# Allegro board LED_FIN.brd (continued)
## Nets (continued)
ROW_OUT_B37: D4561.3(ANODE) D4562.3(ANODE) D4563.3(ANODE) D4564.3(ANODE) D4565.3(ANODE) D4566.3(ANODE) D4567.3(ANODE) D4568.3(ANODE) D4569.3(ANODE) D4570.3(ANODE) D4571.3(ANODE) D4572.3(ANODE) D4573.3(ANODE) D4574.3(ANODE) D4575.3(ANODE) D4576.3(ANODE) D4577.3(ANODE) D4578.3(ANODE) D4579.3(ANODE) D4580.3(ANODE) D4581.3(ANODE) D4582.3(ANODE) D4583.3(ANODE) D4584.3(ANODE) D4585.3(ANODE) D4586.3(ANODE) D4587.3(ANODE) D4588.3(ANODE) D4589.3(ANODE) D4590.3(ANODE) D5701.3(ANODE) D5702.3(ANODE) D5703.3(ANODE) D5704.3(ANODE) D5705.3(ANODE) D5706.3(ANODE) D5707.3(ANODE) D5708.3(ANODE) D5709.3(ANODE) D5710.3(ANODE) D5711.3(ANODE) D5712.3(ANODE) D5713.3(ANODE) D5714.3(ANODE) D5715.3(ANODE) D5716.3(ANODE) D5717.3(ANODE) D5718.3(ANODE) D5719.3(ANODE) D5720.3(ANODE) D5721.3(ANODE) D5722.3(ANODE) D5723.3(ANODE) D5724.3(ANODE) D5725.3(ANODE) D5726.3(ANODE) D5727.3(ANODE) D5728.3(ANODE) D5729.3(ANODE) D5730.3(ANODE) D6841.3(ANODE) D6842.3(ANODE) D6843.3(ANODE) D6844.3(ANODE) D6845.3(ANODE) D6846.3(ANODE) D6847.3(ANODE) D6848.3(ANODE) D6849.3(ANODE) D6850.3(ANODE) D6851.3(ANODE) D6852.3(ANODE) D6853.3(ANODE) D6854.3(ANODE) D6855.3(ANODE) D6856.3(ANODE) D6857.3(ANODE) D6858.3(ANODE) D6859.3(ANODE) D6860.3(ANODE) D6861.3(ANODE) D6862.3(ANODE) D6863.3(ANODE) D6864.3(ANODE) D6865.3(ANODE) D6866.3(ANODE) D6867.3(ANODE) D6868.3(ANODE) D6869.3(ANODE) D6870.3(ANODE) D7981.3(ANODE) D7982.3(ANODE) D7983.3(ANODE) D7984.3(ANODE) D7985.3(ANODE) D7986.3(ANODE) D7987.3(ANODE) D7988.3(ANODE) D7989.3(ANODE) D7990.3(ANODE) D7991.3(ANODE) D7992.3(ANODE) D7993.3(ANODE) D7994.3(ANODE) D7995.3(ANODE) D7996.3(ANODE) D7997.3(ANODE) D7998.3(ANODE) D7999.3(ANODE) D8000.3(ANODE) D8001.3(ANODE) D8002.3(ANODE) D8003.3(ANODE) D8004.3(ANODE) D8005.3(ANODE) D8006.3(ANODE) D8007.3(ANODE) D8008.3(ANODE) D8009.3(ANODE) D8010.3(ANODE) U39.1(DRAIN)
ROW_OUT_C0: D10231.3(ANODE) D10232.3(ANODE) D10233.3(ANODE) D10234.3(ANODE) D10235.3(ANODE) D10236.3(ANODE) D10237.3(ANODE) D10238.3(ANODE) D10239.3(ANODE) D10240.3(ANODE) D10241.3(ANODE) D10242.3(ANODE) D10243.3(ANODE) D10244.3(ANODE) D10245.3(ANODE) D10246.3(ANODE) D10247.3(ANODE) D10248.3(ANODE) D10249.3(ANODE) D10250.3(ANODE) D10251.3(ANODE) D10252.3(ANODE) D10253.3(ANODE) D10254.3(ANODE) D10255.3(ANODE) D10256.3(ANODE) D10257.3(ANODE) D10258.3(ANODE) D10259.3(ANODE) D10260.3(ANODE) D11371.3(ANODE) D11372.3(ANODE) D11373.3(ANODE) D11374.3(ANODE) D11375.3(ANODE) D11376.3(ANODE) D11377.3(ANODE) D11378.3(ANODE) D11379.3(ANODE) D11380.3(ANODE) D11381.3(ANODE) D11382.3(ANODE) D11383.3(ANODE) D11384.3(ANODE) D11385.3(ANODE) D11386.3(ANODE) D11387.3(ANODE) D11388.3(ANODE) D11389.3(ANODE) D11390.3(ANODE) D11391.3(ANODE) D11392.3(ANODE) D11393.3(ANODE) D11394.3(ANODE) D11395.3(ANODE) D11396.3(ANODE) D11397.3(ANODE) D11398.3(ANODE) D11399.3(ANODE) D11400.3(ANODE) D12511.3(ANODE) D12512.3(ANODE) D12513.3(ANODE) D12514.3(ANODE) D12515.3(ANODE) D12516.3(ANODE) D12517.3(ANODE) D12518.3(ANODE) D12519.3(ANODE) D12520.3(ANODE) D12521.3(ANODE) D12522.3(ANODE) D12523.3(ANODE) D12524.3(ANODE) D12525.3(ANODE) D12526.3(ANODE) D12527.3(ANODE) D12528.3(ANODE) D12529.3(ANODE) D12530.3(ANODE) D12531.3(ANODE) D12532.3(ANODE) D12533.3(ANODE) D12534.3(ANODE) D12535.3(ANODE) D12536.3(ANODE) D12537.3(ANODE) D12538.3(ANODE) D12539.3(ANODE) D12540.3(ANODE) D13651.3(ANODE) D13652.3(ANODE) D13653.3(ANODE) D13654.3(ANODE) D13655.3(ANODE) D13656.3(ANODE) D13657.3(ANODE) D13658.3(ANODE) D13659.3(ANODE) D13660.3(ANODE) D13661.3(ANODE) D13662.3(ANODE) D13663.3(ANODE) D13664.3(ANODE) D13665.3(ANODE) D13666.3(ANODE) D13667.3(ANODE) D13668.3(ANODE) D13669.3(ANODE) D13670.3(ANODE) D13671.3(ANODE) D13672.3(ANODE) D13673.3(ANODE) D13674.3(ANODE) D13675.3(ANODE) D13676.3(ANODE) D13677.3(ANODE) D13678.3(ANODE) D13679.3(ANODE) D13680.3(ANODE) U86.1(DRAIN)
ROW_OUT_C1: D10201.3(ANODE) D10202.3(ANODE) D10203.3(ANODE) D10204.3(ANODE) D10205.3(ANODE) D10206.3(ANODE) D10207.3(ANODE) D10208.3(ANODE) D10209.3(ANODE) D10210.3(ANODE) D10211.3(ANODE) D10212.3(ANODE) D10213.3(ANODE) D10214.3(ANODE) D10215.3(ANODE) D10216.3(ANODE) D10217.3(ANODE) D10218.3(ANODE) D10219.3(ANODE) D10220.3(ANODE) D10221.3(ANODE) D10222.3(ANODE) D10223.3(ANODE) D10224.3(ANODE) D10225.3(ANODE) D10226.3(ANODE) D10227.3(ANODE) D10228.3(ANODE) D10229.3(ANODE) D10230.3(ANODE) D11341.3(ANODE) D11342.3(ANODE) D11343.3(ANODE) D11344.3(ANODE) D11345.3(ANODE) D11346.3(ANODE) D11347.3(ANODE) D11348.3(ANODE) D11349.3(ANODE) D11350.3(ANODE) D11351.3(ANODE) D11352.3(ANODE) D11353.3(ANODE) D11354.3(ANODE) D11355.3(ANODE) D11356.3(ANODE) D11357.3(ANODE) D11358.3(ANODE) D11359.3(ANODE) D11360.3(ANODE) D11361.3(ANODE) D11362.3(ANODE) D11363.3(ANODE) D11364.3(ANODE) D11365.3(ANODE) D11366.3(ANODE) D11367.3(ANODE) D11368.3(ANODE) D11369.3(ANODE) D11370.3(ANODE) D12481.3(ANODE) D12482.3(ANODE) D12483.3(ANODE) D12484.3(ANODE) D12485.3(ANODE) D12486.3(ANODE) D12487.3(ANODE) D12488.3(ANODE) D12489.3(ANODE) D12490.3(ANODE) D12491.3(ANODE) D12492.3(ANODE) D12493.3(ANODE) D12494.3(ANODE) D12495.3(ANODE) D12496.3(ANODE) D12497.3(ANODE) D12498.3(ANODE) D12499.3(ANODE) D12500.3(ANODE) D12501.3(ANODE) D12502.3(ANODE) D12503.3(ANODE) D12504.3(ANODE) D12505.3(ANODE) D12506.3(ANODE) D12507.3(ANODE) D12508.3(ANODE) D12509.3(ANODE) D12510.3(ANODE) D13621.3(ANODE) D13622.3(ANODE) D13623.3(ANODE) D13624.3(ANODE) D13625.3(ANODE) D13626.3(ANODE) D13627.3(ANODE) D13628.3(ANODE) D13629.3(ANODE) D13630.3(ANODE) D13631.3(ANODE) D13632.3(ANODE) D13633.3(ANODE) D13634.3(ANODE) D13635.3(ANODE) D13636.3(ANODE) D13637.3(ANODE) D13638.3(ANODE) D13639.3(ANODE) D13640.3(ANODE) D13641.3(ANODE) D13642.3(ANODE) D13643.3(ANODE) D13644.3(ANODE) D13645.3(ANODE) D13646.3(ANODE) D13647.3(ANODE) D13648.3(ANODE) D13649.3(ANODE) D13650.3(ANODE) U85.1(DRAIN)
ROW_OUT_C2: D10171.3(ANODE) D10172.3(ANODE) D10173.3(ANODE) D10174.3(ANODE) D10175.3(ANODE) D10176.3(ANODE) D10177.3(ANODE) D10178.3(ANODE) D10179.3(ANODE) D10180.3(ANODE) D10181.3(ANODE) D10182.3(ANODE) D10183.3(ANODE) D10184.3(ANODE) D10185.3(ANODE) D10186.3(ANODE) D10187.3(ANODE) D10188.3(ANODE) D10189.3(ANODE) D10190.3(ANODE) D10191.3(ANODE) D10192.3(ANODE) D10193.3(ANODE) D10194.3(ANODE) D10195.3(ANODE) D10196.3(ANODE) D10197.3(ANODE) D10198.3(ANODE) D10199.3(ANODE) D10200.3(ANODE) D11311.3(ANODE) D11312.3(ANODE) D11313.3(ANODE) D11314.3(ANODE) D11315.3(ANODE) D11316.3(ANODE) D11317.3(ANODE) D11318.3(ANODE) D11319.3(ANODE) D11320.3(ANODE) D11321.3(ANODE) D11322.3(ANODE) D11323.3(ANODE) D11324.3(ANODE) D11325.3(ANODE) D11326.3(ANODE) D11327.3(ANODE) D11328.3(ANODE) D11329.3(ANODE) D11330.3(ANODE) D11331.3(ANODE) D11332.3(ANODE) D11333.3(ANODE) D11334.3(ANODE) D11335.3(ANODE) D11336.3(ANODE) D11337.3(ANODE) D11338.3(ANODE) D11339.3(ANODE) D11340.3(ANODE) D12451.3(ANODE) D12452.3(ANODE) D12453.3(ANODE) D12454.3(ANODE) D12455.3(ANODE) D12456.3(ANODE) D12457.3(ANODE) D12458.3(ANODE) D12459.3(ANODE) D12460.3(ANODE) D12461.3(ANODE) D12462.3(ANODE) D12463.3(ANODE) D12464.3(ANODE) D12465.3(ANODE) D12466.3(ANODE) D12467.3(ANODE) D12468.3(ANODE) D12469.3(ANODE) D12470.3(ANODE) D12471.3(ANODE) D12472.3(ANODE) D12473.3(ANODE) D12474.3(ANODE) D12475.3(ANODE) D12476.3(ANODE) D12477.3(ANODE) D12478.3(ANODE) D12479.3(ANODE) D12480.3(ANODE) D13591.3(ANODE) D13592.3(ANODE) D13593.3(ANODE) D13594.3(ANODE) D13595.3(ANODE) D13596.3(ANODE) D13597.3(ANODE) D13598.3(ANODE) D13599.3(ANODE) D13600.3(ANODE) D13601.3(ANODE) D13602.3(ANODE) D13603.3(ANODE) D13604.3(ANODE) D13605.3(ANODE) D13606.3(ANODE) D13607.3(ANODE) D13608.3(ANODE) D13609.3(ANODE) D13610.3(ANODE) D13611.3(ANODE) D13612.3(ANODE) D13613.3(ANODE) D13614.3(ANODE) D13615.3(ANODE) D13616.3(ANODE) D13617.3(ANODE) D13618.3(ANODE) D13619.3(ANODE) D13620.3(ANODE) U84.1(DRAIN)
ROW_OUT_C3: D10141.3(ANODE) D10142.3(ANODE) D10143.3(ANODE) D10144.3(ANODE) D10145.3(ANODE) D10146.3(ANODE) D10147.3(ANODE) D10148.3(ANODE) D10149.3(ANODE) D10150.3(ANODE) D10151.3(ANODE) D10152.3(ANODE) D10153.3(ANODE) D10154.3(ANODE) D10155.3(ANODE) D10156.3(ANODE) D10157.3(ANODE) D10158.3(ANODE) D10159.3(ANODE) D10160.3(ANODE) D10161.3(ANODE) D10162.3(ANODE) D10163.3(ANODE) D10164.3(ANODE) D10165.3(ANODE) D10166.3(ANODE) D10167.3(ANODE) D10168.3(ANODE) D10169.3(ANODE) D10170.3(ANODE) D11281.3(ANODE) D11282.3(ANODE) D11283.3(ANODE) D11284.3(ANODE) D11285.3(ANODE) D11286.3(ANODE) D11287.3(ANODE) D11288.3(ANODE) D11289.3(ANODE) D11290.3(ANODE) D11291.3(ANODE) D11292.3(ANODE) D11293.3(ANODE) D11294.3(ANODE) D11295.3(ANODE) D11296.3(ANODE) D11297.3(ANODE) D11298.3(ANODE) D11299.3(ANODE) D11300.3(ANODE) D11301.3(ANODE) D11302.3(ANODE) D11303.3(ANODE) D11304.3(ANODE) D11305.3(ANODE) D11306.3(ANODE) D11307.3(ANODE) D11308.3(ANODE) D11309.3(ANODE) D11310.3(ANODE) D12421.3(ANODE) D12422.3(ANODE) D12423.3(ANODE) D12424.3(ANODE) D12425.3(ANODE) D12426.3(ANODE) D12427.3(ANODE) D12428.3(ANODE) D12429.3(ANODE) D12430.3(ANODE) D12431.3(ANODE) D12432.3(ANODE) D12433.3(ANODE) D12434.3(ANODE) D12435.3(ANODE) D12436.3(ANODE) D12437.3(ANODE) D12438.3(ANODE) D12439.3(ANODE) D12440.3(ANODE) D12441.3(ANODE) D12442.3(ANODE) D12443.3(ANODE) D12444.3(ANODE) D12445.3(ANODE) D12446.3(ANODE) D12447.3(ANODE) D12448.3(ANODE) D12449.3(ANODE) D12450.3(ANODE) D13561.3(ANODE) D13562.3(ANODE) D13563.3(ANODE) D13564.3(ANODE) D13565.3(ANODE) D13566.3(ANODE) D13567.3(ANODE) D13568.3(ANODE) D13569.3(ANODE) D13570.3(ANODE) D13571.3(ANODE) D13572.3(ANODE) D13573.3(ANODE) D13574.3(ANODE) D13575.3(ANODE) D13576.3(ANODE) D13577.3(ANODE) D13578.3(ANODE) D13579.3(ANODE) D13580.3(ANODE) D13581.3(ANODE) D13582.3(ANODE) D13583.3(ANODE) D13584.3(ANODE) D13585.3(ANODE) D13586.3(ANODE) D13587.3(ANODE) D13588.3(ANODE) D13589.3(ANODE) D13590.3(ANODE) U83.1(DRAIN)
ROW_OUT_C4: D10111.3(ANODE) D10112.3(ANODE) D10113.3(ANODE) D10114.3(ANODE) D10115.3(ANODE) D10116.3(ANODE) D10117.3(ANODE) D10118.3(ANODE) D10119.3(ANODE) D10120.3(ANODE) D10121.3(ANODE) D10122.3(ANODE) D10123.3(ANODE) D10124.3(ANODE) D10125.3(ANODE) D10126.3(ANODE) D10127.3(ANODE) D10128.3(ANODE) D10129.3(ANODE) D10130.3(ANODE) D10131.3(ANODE) D10132.3(ANODE) D10133.3(ANODE) D10134.3(ANODE) D10135.3(ANODE) D10136.3(ANODE) D10137.3(ANODE) D10138.3(ANODE) D10139.3(ANODE) D10140.3(ANODE) D11251.3(ANODE) D11252.3(ANODE) D11253.3(ANODE) D11254.3(ANODE) D11255.3(ANODE) D11256.3(ANODE) D11257.3(ANODE) D11258.3(ANODE) D11259.3(ANODE) D11260.3(ANODE) D11261.3(ANODE) D11262.3(ANODE) D11263.3(ANODE) D11264.3(ANODE) D11265.3(ANODE) D11266.3(ANODE) D11267.3(ANODE) D11268.3(ANODE) D11269.3(ANODE) D11270.3(ANODE) D11271.3(ANODE) D11272.3(ANODE) D11273.3(ANODE) D11274.3(ANODE) D11275.3(ANODE) D11276.3(ANODE) D11277.3(ANODE) D11278.3(ANODE) D11279.3(ANODE) D11280.3(ANODE) D12391.3(ANODE) D12392.3(ANODE) D12393.3(ANODE) D12394.3(ANODE) D12395.3(ANODE) D12396.3(ANODE) D12397.3(ANODE) D12398.3(ANODE) D12399.3(ANODE) D12400.3(ANODE) D12401.3(ANODE) D12402.3(ANODE) D12403.3(ANODE) D12404.3(ANODE) D12405.3(ANODE) D12406.3(ANODE) D12407.3(ANODE) D12408.3(ANODE) D12409.3(ANODE) D12410.3(ANODE) D12411.3(ANODE) D12412.3(ANODE) D12413.3(ANODE) D12414.3(ANODE) D12415.3(ANODE) D12416.3(ANODE) D12417.3(ANODE) D12418.3(ANODE) D12419.3(ANODE) D12420.3(ANODE) D13531.3(ANODE) D13532.3(ANODE) D13533.3(ANODE) D13534.3(ANODE) D13535.3(ANODE) D13536.3(ANODE) D13537.3(ANODE) D13538.3(ANODE) D13539.3(ANODE) D13540.3(ANODE) D13541.3(ANODE) D13542.3(ANODE) D13543.3(ANODE) D13544.3(ANODE) D13545.3(ANODE) D13546.3(ANODE) D13547.3(ANODE) D13548.3(ANODE) D13549.3(ANODE) D13550.3(ANODE) D13551.3(ANODE) D13552.3(ANODE) D13553.3(ANODE) D13554.3(ANODE) D13555.3(ANODE) D13556.3(ANODE) D13557.3(ANODE) D13558.3(ANODE) D13559.3(ANODE) D13560.3(ANODE) U82.1(DRAIN)
ROW_OUT_C5: D10081.3(ANODE) D10082.3(ANODE) D10083.3(ANODE) D10084.3(ANODE) D10085.3(ANODE) D10086.3(ANODE) D10087.3(ANODE) D10088.3(ANODE) D10089.3(ANODE) D10090.3(ANODE) D10091.3(ANODE) D10092.3(ANODE) D10093.3(ANODE) D10094.3(ANODE) D10095.3(ANODE) D10096.3(ANODE) D10097.3(ANODE) D10098.3(ANODE) D10099.3(ANODE) D10100.3(ANODE) D10101.3(ANODE) D10102.3(ANODE) D10103.3(ANODE) D10104.3(ANODE) D10105.3(ANODE) D10106.3(ANODE) D10107.3(ANODE) D10108.3(ANODE) D10109.3(ANODE) D10110.3(ANODE) D11221.3(ANODE) D11222.3(ANODE) D11223.3(ANODE) D11224.3(ANODE) D11225.3(ANODE) D11226.3(ANODE) D11227.3(ANODE) D11228.3(ANODE) D11229.3(ANODE) D11230.3(ANODE) D11231.3(ANODE) D11232.3(ANODE) D11233.3(ANODE) D11234.3(ANODE) D11235.3(ANODE) D11236.3(ANODE) D11237.3(ANODE) D11238.3(ANODE) D11239.3(ANODE) D11240.3(ANODE) D11241.3(ANODE) D11242.3(ANODE) D11243.3(ANODE) D11244.3(ANODE) D11245.3(ANODE) D11246.3(ANODE) D11247.3(ANODE) D11248.3(ANODE) D11249.3(ANODE) D11250.3(ANODE) D12361.3(ANODE) D12362.3(ANODE) D12363.3(ANODE) D12364.3(ANODE) D12365.3(ANODE) D12366.3(ANODE) D12367.3(ANODE) D12368.3(ANODE) D12369.3(ANODE) D12370.3(ANODE) D12371.3(ANODE) D12372.3(ANODE) D12373.3(ANODE) D12374.3(ANODE) D12375.3(ANODE) D12376.3(ANODE) D12377.3(ANODE) D12378.3(ANODE) D12379.3(ANODE) D12380.3(ANODE) D12381.3(ANODE) D12382.3(ANODE) D12383.3(ANODE) D12384.3(ANODE) D12385.3(ANODE) D12386.3(ANODE) D12387.3(ANODE) D12388.3(ANODE) D12389.3(ANODE) D12390.3(ANODE) D13501.3(ANODE) D13502.3(ANODE) D13503.3(ANODE) D13504.3(ANODE) D13505.3(ANODE) D13506.3(ANODE) D13507.3(ANODE) D13508.3(ANODE) D13509.3(ANODE) D13510.3(ANODE) D13511.3(ANODE) D13512.3(ANODE) D13513.3(ANODE) D13514.3(ANODE) D13515.3(ANODE) D13516.3(ANODE) D13517.3(ANODE) D13518.3(ANODE) D13519.3(ANODE) D13520.3(ANODE) D13521.3(ANODE) D13522.3(ANODE) D13523.3(ANODE) D13524.3(ANODE) D13525.3(ANODE) D13526.3(ANODE) D13527.3(ANODE) D13528.3(ANODE) D13529.3(ANODE) D13530.3(ANODE) U81.1(DRAIN)
ROW_OUT_C6: D10051.3(ANODE) D10052.3(ANODE) D10053.3(ANODE) D10054.3(ANODE) D10055.3(ANODE) D10056.3(ANODE) D10057.3(ANODE) D10058.3(ANODE) D10059.3(ANODE) D10060.3(ANODE) D10061.3(ANODE) D10062.3(ANODE) D10063.3(ANODE) D10064.3(ANODE) D10065.3(ANODE) D10066.3(ANODE) D10067.3(ANODE) D10068.3(ANODE) D10069.3(ANODE) D10070.3(ANODE) D10071.3(ANODE) D10072.3(ANODE) D10073.3(ANODE) D10074.3(ANODE) D10075.3(ANODE) D10076.3(ANODE) D10077.3(ANODE) D10078.3(ANODE) D10079.3(ANODE) D10080.3(ANODE) D11191.3(ANODE) D11192.3(ANODE) D11193.3(ANODE) D11194.3(ANODE) D11195.3(ANODE) D11196.3(ANODE) D11197.3(ANODE) D11198.3(ANODE) D11199.3(ANODE) D11200.3(ANODE) D11201.3(ANODE) D11202.3(ANODE) D11203.3(ANODE) D11204.3(ANODE) D11205.3(ANODE) D11206.3(ANODE) D11207.3(ANODE) D11208.3(ANODE) D11209.3(ANODE) D11210.3(ANODE) D11211.3(ANODE) D11212.3(ANODE) D11213.3(ANODE) D11214.3(ANODE) D11215.3(ANODE) D11216.3(ANODE) D11217.3(ANODE) D11218.3(ANODE) D11219.3(ANODE) D11220.3(ANODE) D12331.3(ANODE) D12332.3(ANODE) D12333.3(ANODE) D12334.3(ANODE) D12335.3(ANODE) D12336.3(ANODE) D12337.3(ANODE) D12338.3(ANODE) D12339.3(ANODE) D12340.3(ANODE) D12341.3(ANODE) D12342.3(ANODE) D12343.3(ANODE) D12344.3(ANODE) D12345.3(ANODE) D12346.3(ANODE) D12347.3(ANODE) D12348.3(ANODE) D12349.3(ANODE) D12350.3(ANODE) D12351.3(ANODE) D12352.3(ANODE) D12353.3(ANODE) D12354.3(ANODE) D12355.3(ANODE) D12356.3(ANODE) D12357.3(ANODE) D12358.3(ANODE) D12359.3(ANODE) D12360.3(ANODE) D13471.3(ANODE) D13472.3(ANODE) D13473.3(ANODE) D13474.3(ANODE) D13475.3(ANODE) D13476.3(ANODE) D13477.3(ANODE) D13478.3(ANODE) D13479.3(ANODE) D13480.3(ANODE) D13481.3(ANODE) D13482.3(ANODE) D13483.3(ANODE) D13484.3(ANODE) D13485.3(ANODE) D13486.3(ANODE) D13487.3(ANODE) D13488.3(ANODE) D13489.3(ANODE) D13490.3(ANODE) D13491.3(ANODE) D13492.3(ANODE) D13493.3(ANODE) D13494.3(ANODE) D13495.3(ANODE) D13496.3(ANODE) D13497.3(ANODE) D13498.3(ANODE) D13499.3(ANODE) D13500.3(ANODE) U80.1(DRAIN)
ROW_OUT_C7: D10021.3(ANODE) D10022.3(ANODE) D10023.3(ANODE) D10024.3(ANODE) D10025.3(ANODE) D10026.3(ANODE) D10027.3(ANODE) D10028.3(ANODE) D10029.3(ANODE) D10030.3(ANODE) D10031.3(ANODE) D10032.3(ANODE) D10033.3(ANODE) D10034.3(ANODE) D10035.3(ANODE) D10036.3(ANODE) D10037.3(ANODE) D10038.3(ANODE) D10039.3(ANODE) D10040.3(ANODE) D10041.3(ANODE) D10042.3(ANODE) D10043.3(ANODE) D10044.3(ANODE) D10045.3(ANODE) D10046.3(ANODE) D10047.3(ANODE) D10048.3(ANODE) D10049.3(ANODE) D10050.3(ANODE) D11161.3(ANODE) D11162.3(ANODE) D11163.3(ANODE) D11164.3(ANODE) D11165.3(ANODE) D11166.3(ANODE) D11167.3(ANODE) D11168.3(ANODE) D11169.3(ANODE) D11170.3(ANODE) D11171.3(ANODE) D11172.3(ANODE) D11173.3(ANODE) D11174.3(ANODE) D11175.3(ANODE) D11176.3(ANODE) D11177.3(ANODE) D11178.3(ANODE) D11179.3(ANODE) D11180.3(ANODE) D11181.3(ANODE) D11182.3(ANODE) D11183.3(ANODE) D11184.3(ANODE) D11185.3(ANODE) D11186.3(ANODE) D11187.3(ANODE) D11188.3(ANODE) D11189.3(ANODE) D11190.3(ANODE) D12301.3(ANODE) D12302.3(ANODE) D12303.3(ANODE) D12304.3(ANODE) D12305.3(ANODE) D12306.3(ANODE) D12307.3(ANODE) D12308.3(ANODE) D12309.3(ANODE) D12310.3(ANODE) D12311.3(ANODE) D12312.3(ANODE) D12313.3(ANODE) D12314.3(ANODE) D12315.3(ANODE) D12316.3(ANODE) D12317.3(ANODE) D12318.3(ANODE) D12319.3(ANODE) D12320.3(ANODE) D12321.3(ANODE) D12322.3(ANODE) D12323.3(ANODE) D12324.3(ANODE) D12325.3(ANODE) D12326.3(ANODE) D12327.3(ANODE) D12328.3(ANODE) D12329.3(ANODE) D12330.3(ANODE) D13441.3(ANODE) D13442.3(ANODE) D13443.3(ANODE) D13444.3(ANODE) D13445.3(ANODE) D13446.3(ANODE) D13447.3(ANODE) D13448.3(ANODE) D13449.3(ANODE) D13450.3(ANODE) D13451.3(ANODE) D13452.3(ANODE) D13453.3(ANODE) D13454.3(ANODE) D13455.3(ANODE) D13456.3(ANODE) D13457.3(ANODE) D13458.3(ANODE) D13459.3(ANODE) D13460.3(ANODE) D13461.3(ANODE) D13462.3(ANODE) D13463.3(ANODE) D13464.3(ANODE) D13465.3(ANODE) D13466.3(ANODE) D13467.3(ANODE) D13468.3(ANODE) D13469.3(ANODE) D13470.3(ANODE) U79.1(DRAIN)
ROW_OUT_C8: D9991.3(ANODE) D9992.3(ANODE) D9993.3(ANODE) D9994.3(ANODE) D9995.3(ANODE) D9996.3(ANODE) D9997.3(ANODE) D9998.3(ANODE) D9999.3(ANODE) D10000.3(ANODE) D10001.3(ANODE) D10002.3(ANODE) D10003.3(ANODE) D10004.3(ANODE) D10005.3(ANODE) D10006.3(ANODE) D10007.3(ANODE) D10008.3(ANODE) D10009.3(ANODE) D10010.3(ANODE) D10011.3(ANODE) D10012.3(ANODE) D10013.3(ANODE) D10014.3(ANODE) D10015.3(ANODE) D10016.3(ANODE) D10017.3(ANODE) D10018.3(ANODE) D10019.3(ANODE) D10020.3(ANODE) D11131.3(ANODE) D11132.3(ANODE) D11133.3(ANODE) D11134.3(ANODE) D11135.3(ANODE) D11136.3(ANODE) D11137.3(ANODE) D11138.3(ANODE) D11139.3(ANODE) D11140.3(ANODE) D11141.3(ANODE) D11142.3(ANODE) D11143.3(ANODE) D11144.3(ANODE) D11145.3(ANODE) D11146.3(ANODE) D11147.3(ANODE) D11148.3(ANODE) D11149.3(ANODE) D11150.3(ANODE) D11151.3(ANODE) D11152.3(ANODE) D11153.3(ANODE) D11154.3(ANODE) D11155.3(ANODE) D11156.3(ANODE) D11157.3(ANODE) D11158.3(ANODE) D11159.3(ANODE) D11160.3(ANODE) D12271.3(ANODE) D12272.3(ANODE) D12273.3(ANODE) D12274.3(ANODE) D12275.3(ANODE) D12276.3(ANODE) D12277.3(ANODE) D12278.3(ANODE) D12279.3(ANODE) D12280.3(ANODE) D12281.3(ANODE) D12282.3(ANODE) D12283.3(ANODE) D12284.3(ANODE) D12285.3(ANODE) D12286.3(ANODE) D12287.3(ANODE) D12288.3(ANODE) D12289.3(ANODE) D12290.3(ANODE) D12291.3(ANODE) D12292.3(ANODE) D12293.3(ANODE) D12294.3(ANODE) D12295.3(ANODE) D12296.3(ANODE) D12297.3(ANODE) D12298.3(ANODE) D12299.3(ANODE) D12300.3(ANODE) D13411.3(ANODE) D13412.3(ANODE) D13413.3(ANODE) D13414.3(ANODE) D13415.3(ANODE) D13416.3(ANODE) D13417.3(ANODE) D13418.3(ANODE) D13419.3(ANODE) D13420.3(ANODE) D13421.3(ANODE) D13422.3(ANODE) D13423.3(ANODE) D13424.3(ANODE) D13425.3(ANODE) D13426.3(ANODE) D13427.3(ANODE) D13428.3(ANODE) D13429.3(ANODE) D13430.3(ANODE) D13431.3(ANODE) D13432.3(ANODE) D13433.3(ANODE) D13434.3(ANODE) D13435.3(ANODE) D13436.3(ANODE) D13437.3(ANODE) D13438.3(ANODE) D13439.3(ANODE) D13440.3(ANODE) U78.1(DRAIN)
ROW_OUT_C9: D9961.3(ANODE) D9962.3(ANODE) D9963.3(ANODE) D9964.3(ANODE) D9965.3(ANODE) D9966.3(ANODE) D9967.3(ANODE) D9968.3(ANODE) D9969.3(ANODE) D9970.3(ANODE) D9971.3(ANODE) D9972.3(ANODE) D9973.3(ANODE) D9974.3(ANODE) D9975.3(ANODE) D9976.3(ANODE) D9977.3(ANODE) D9978.3(ANODE) D9979.3(ANODE) D9980.3(ANODE) D9981.3(ANODE) D9982.3(ANODE) D9983.3(ANODE) D9984.3(ANODE) D9985.3(ANODE) D9986.3(ANODE) D9987.3(ANODE) D9988.3(ANODE) D9989.3(ANODE) D9990.3(ANODE) D11101.3(ANODE) D11102.3(ANODE) D11103.3(ANODE) D11104.3(ANODE) D11105.3(ANODE) D11106.3(ANODE) D11107.3(ANODE) D11108.3(ANODE) D11109.3(ANODE) D11110.3(ANODE) D11111.3(ANODE) D11112.3(ANODE) D11113.3(ANODE) D11114.3(ANODE) D11115.3(ANODE) D11116.3(ANODE) D11117.3(ANODE) D11118.3(ANODE) D11119.3(ANODE) D11120.3(ANODE) D11121.3(ANODE) D11122.3(ANODE) D11123.3(ANODE) D11124.3(ANODE) D11125.3(ANODE) D11126.3(ANODE) D11127.3(ANODE) D11128.3(ANODE) D11129.3(ANODE) D11130.3(ANODE) D12241.3(ANODE) D12242.3(ANODE) D12243.3(ANODE) D12244.3(ANODE) D12245.3(ANODE) D12246.3(ANODE) D12247.3(ANODE) D12248.3(ANODE) D12249.3(ANODE) D12250.3(ANODE) D12251.3(ANODE) D12252.3(ANODE) D12253.3(ANODE) D12254.3(ANODE) D12255.3(ANODE) D12256.3(ANODE) D12257.3(ANODE) D12258.3(ANODE) D12259.3(ANODE) D12260.3(ANODE) D12261.3(ANODE) D12262.3(ANODE) D12263.3(ANODE) D12264.3(ANODE) D12265.3(ANODE) D12266.3(ANODE) D12267.3(ANODE) D12268.3(ANODE) D12269.3(ANODE) D12270.3(ANODE) D13381.3(ANODE) D13382.3(ANODE) D13383.3(ANODE) D13384.3(ANODE) D13385.3(ANODE) D13386.3(ANODE) D13387.3(ANODE) D13388.3(ANODE) D13389.3(ANODE) D13390.3(ANODE) D13391.3(ANODE) D13392.3(ANODE) D13393.3(ANODE) D13394.3(ANODE) D13395.3(ANODE) D13396.3(ANODE) D13397.3(ANODE) D13398.3(ANODE) D13399.3(ANODE) D13400.3(ANODE) D13401.3(ANODE) D13402.3(ANODE) D13403.3(ANODE) D13404.3(ANODE) D13405.3(ANODE) D13406.3(ANODE) D13407.3(ANODE) D13408.3(ANODE) D13409.3(ANODE) D13410.3(ANODE) U77.1(DRAIN)
ROW_OUT_C10: D9931.3(ANODE) D9932.3(ANODE) D9933.3(ANODE) D9934.3(ANODE) D9935.3(ANODE) D9936.3(ANODE) D9937.3(ANODE) D9938.3(ANODE) D9939.3(ANODE) D9940.3(ANODE) D9941.3(ANODE) D9942.3(ANODE) D9943.3(ANODE) D9944.3(ANODE) D9945.3(ANODE) D9946.3(ANODE) D9947.3(ANODE) D9948.3(ANODE) D9949.3(ANODE) D9950.3(ANODE) D9951.3(ANODE) D9952.3(ANODE) D9953.3(ANODE) D9954.3(ANODE) D9955.3(ANODE) D9956.3(ANODE) D9957.3(ANODE) D9958.3(ANODE) D9959.3(ANODE) D9960.3(ANODE) D11071.3(ANODE) D11072.3(ANODE) D11073.3(ANODE) D11074.3(ANODE) D11075.3(ANODE) D11076.3(ANODE) D11077.3(ANODE) D11078.3(ANODE) D11079.3(ANODE) D11080.3(ANODE) D11081.3(ANODE) D11082.3(ANODE) D11083.3(ANODE) D11084.3(ANODE) D11085.3(ANODE) D11086.3(ANODE) D11087.3(ANODE) D11088.3(ANODE) D11089.3(ANODE) D11090.3(ANODE) D11091.3(ANODE) D11092.3(ANODE) D11093.3(ANODE) D11094.3(ANODE) D11095.3(ANODE) D11096.3(ANODE) D11097.3(ANODE) D11098.3(ANODE) D11099.3(ANODE) D11100.3(ANODE) D12211.3(ANODE) D12212.3(ANODE) D12213.3(ANODE) D12214.3(ANODE) D12215.3(ANODE) D12216.3(ANODE) D12217.3(ANODE) D12218.3(ANODE) D12219.3(ANODE) D12220.3(ANODE) D12221.3(ANODE) D12222.3(ANODE) D12223.3(ANODE) D12224.3(ANODE) D12225.3(ANODE) D12226.3(ANODE) D12227.3(ANODE) D12228.3(ANODE) D12229.3(ANODE) D12230.3(ANODE) D12231.3(ANODE) D12232.3(ANODE) D12233.3(ANODE) D12234.3(ANODE) D12235.3(ANODE) D12236.3(ANODE) D12237.3(ANODE) D12238.3(ANODE) D12239.3(ANODE) D12240.3(ANODE) D13351.3(ANODE) D13352.3(ANODE) D13353.3(ANODE) D13354.3(ANODE) D13355.3(ANODE) D13356.3(ANODE) D13357.3(ANODE) D13358.3(ANODE) D13359.3(ANODE) D13360.3(ANODE) D13361.3(ANODE) D13362.3(ANODE) D13363.3(ANODE) D13364.3(ANODE) D13365.3(ANODE) D13366.3(ANODE) D13367.3(ANODE) D13368.3(ANODE) D13369.3(ANODE) D13370.3(ANODE) D13371.3(ANODE) D13372.3(ANODE) D13373.3(ANODE) D13374.3(ANODE) D13375.3(ANODE) D13376.3(ANODE) D13377.3(ANODE) D13378.3(ANODE) D13379.3(ANODE) D13380.3(ANODE) U114.1(DRAIN)
